# Altium PCB TEBF0808ASCII.PcbDoc (part 6 of 10) (continued)
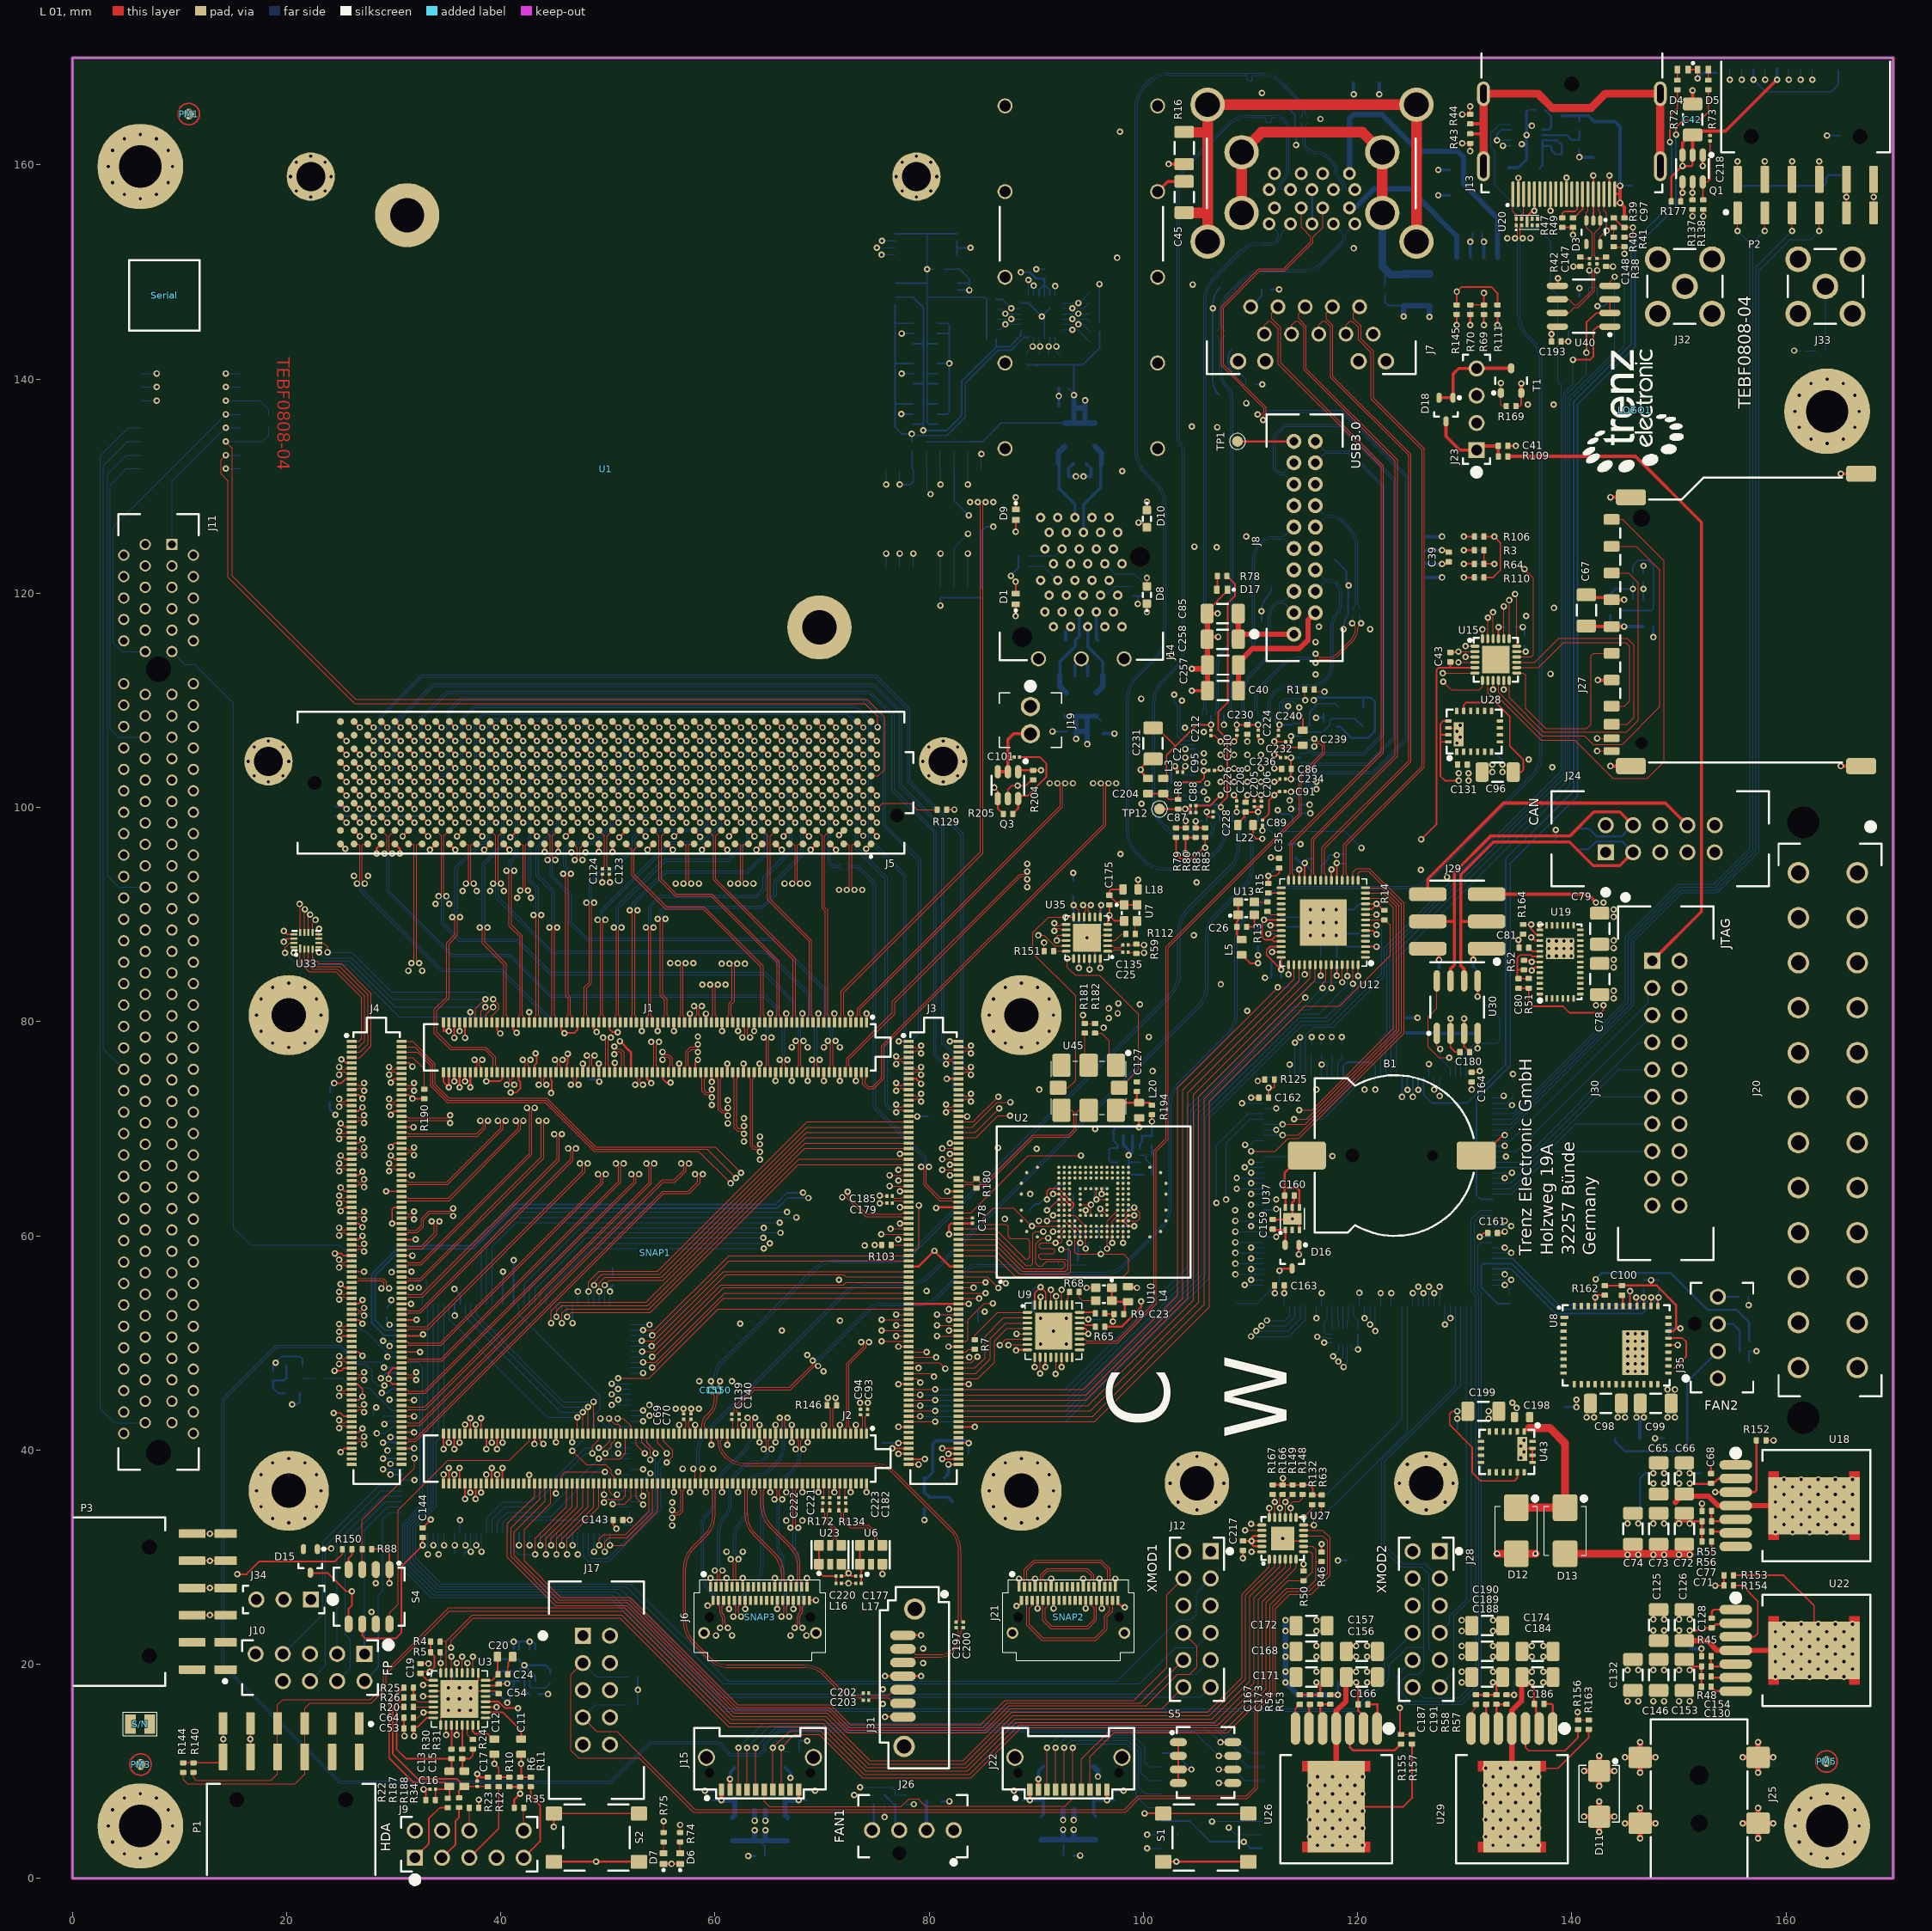
[diagram p0: L 01 view]
## Nets (pads, with @x,y where several pads share a name; then routed paths per layer and width w, separated by ;. In a path a pad name is that pad's centre, name@x,y a point inside that pad or via, vN(x,y) a via of type N, cw(c..) or ccw(c..) an arc to the next point about the centre after c; other vN are vias at no path point) (continued)
DP_TX_HPD: R40.1 R41.2 U17.94 | length 87.3
  L 01 w0.1: R40.1@143.9,152.355 R41.2@144.9,152.355 v1(144.9,151.7)
  L 16 w0.1: U17.94@123.65,74.82 123.65,85.875 139.825,102.05 139.825,138.025 144.9,143.1 v1(144.9,151.7)
DP_TX_L0_N: C140.2 J13.3 U20.2 U20.8 | length 168
  L 01 w0.1: C140.2@62.25,43.352 62.022,43.58 62.022,43.923 63.725,45.625 67.05,45.625 69.273,47.848 v1(69.627,47.848) ; v1(135.41,153.15) 135.16,153.4 135.16,154.2 U20.2@135.3,154.34 U20.8@135.3,154.96 135.3,155.331 135.496,155.527 J13.3@135.496,158.311 ; J13.3@135.5,157.258 J13.3@135.518,157.24
  L 16 w0.1: v1(69.627,47.848) 69.627,47.957 cw(c70.218,47.957) 69.8,48.375 74.467,53.042 cw(c75.525,51.983) 75.525,53.48 78.962,53.48 ccw(c78.962,56.24) 80.913,54.288 82.942,56.317 cw(c84.893,54.365) 84.893,57.125 87.371,57.125 cw(c87.371,55.996) 88.169,56.794 ccw(c89.17,57.795) 89.17,56.38 96.389,56.38 ccw(c96.389,58.92) 98.185,57.124 101.792,60.73 ccw(c99.84,62.682) 102.6,62.682 102.6,72.425 cw(c104.773,72.425) 103.236,73.961 107.942,78.667 ccw(c105.99,80.618) 108.75,80.618 108.75,87.811 cw(c110.884,87.811) 109.375,89.32 111.741,91.686 cw(c113.537,89.89) 113.537,92.43 124.823,92.43 ccw(c124.823,95.19) 126.775,93.238 136.387,102.85 ccw(c134.435,104.802) 137.195,104.802 137.195,141.698 ccw(c134.435,141.698) 136.387,143.65 135.904,144.132 cw(c137.7,145.928) 135.16,145.928 135.16,152.75 cw(c135.522,152.75) 135.266,153.006 v1(135.41,153.15)
DP_TX_L0_P: C139.2 J13.1 U20.1 U20.9 | length 168
  L 01 w0.1: C139.2@61.575,43.352 61.803,43.58 61.803,44.014 63.634,45.845 66.959,45.845 69.118,48.004 v1(69.118,48.357) ; J13.1@134.492,158.294 134.492,155.646 134.8,155.338 U20.9@134.8,154.96 U20.1@134.8,154.34 134.94,154.2 134.94,153.4 v1(134.69,153.15)
  L 16 w0.1: v1(69.118,48.357) 69.226,48.357 ccw(c69.226,48.949) 69.644,48.531 74.311,53.197 cw(c75.525,51.983) 75.525,53.7 78.962,53.7 ccw(c78.962,56.24) 80.758,54.444 82.915,56.601 cw(c84.711,54.805) 84.711,57.345 87.371,57.345 cw(c87.371,55.996) 88.325,56.95 ccw(c89.17,57.795) 89.17,56.6 96.227,56.6 ccw(c96.227,59.311) 98.144,57.394 101.636,60.886 ccw(c99.84,62.682) 102.38,62.682 102.38,72.425 cw(c104.773,72.425) 103.081,74.117 107.786,78.822 ccw(c105.99,80.618) 108.53,80.618 108.53,87.811 cw(c110.884,87.811) 109.219,89.476 111.585,91.842 cw(c113.537,89.89) 113.537,92.65 124.823,92.65 ccw(c124.823,95.19) 126.619,93.394 136.231,103.006 ccw(c134.435,104.802) 136.975,104.802 136.975,141.698 ccw(c134.435,141.698) 136.231,143.494 135.748,143.977 cw(c137.7,145.928) 134.94,145.928 134.94,152.75 ccw(c134.578,152.75) 134.834,153.006 v1(134.69,153.15)
DP_TX_PWR: C97.1 C137.2 D2.1 J13.20 R66.2 TP18.1 | length 20.9
  L 01 w0.2: v1(144.5,156.45) 144.05,156.45 144,156.4 J13.20@144,157.258 ; 144.5,157.258 J13.20@144,157.258 ; v1(144.5,158.05) 144,158.05 J13.20@144,157.258
  L 01 w0.3: v1(144.5,158.05) 144.5,157.258 v1(144.5,156.45) 144.9,156.05 C97.1@144.9,155.05
  L 16 w0.15: v1(144.5,158.05) TP18.1@145.575,158.05
  L 16 w0.2: R66.2@140.69,164.08 140.69,164.585
  L 16 w0.3: D2.1@139.065,164.585 140.69,164.585 141.54,164.585 142.09,164.035 C137.2@142.415,164.035 144.015,164.035 144.5,163.55 v1(144.5,158.05) v1(144.5,156.45)
DVDD1V: C36.1 C37.1 C38.1 U12.6 U12.40 U12.42 | length 18.7
  L 01 w0.15: U12.42@112.86,86 v1(112.86,84.86) 111.5,86.22 111.5,86.7 111.8,87 U12.40@112.86,87 ; U12.6@120.74,88.5 121.4,88.5 v1(121.75,88.15)
  L 07 P w0.3: v1(112.86,84.86) 113.85,85.85 119.45,85.85 v1(121.75,88.15)
  L 16 w0.15: C38.1@121,88.2 121.05,88.15 v1(121.75,88.15)
  L 16 w0.2: C37.1@112.85,84.1 C36.1@112.85,85.55
DX_N: J2.121
DX_P: J2.119
EN_DDR: J2.112 U39.86 | length 8.2
  L 01 w0.1: v1(43.7,31.11) 43.7,31.75 46.655,34.705 J2.112@46.655,36.868
  L 16 w0.1: v1(43.7,31.11) U39.86@43.7,32.28
EN_FMC: R162.2 U8.41 U39.104 | length 120
  L 01 w0.15: U8.41@142.176,53.441 v1(142.176,54.251) 142.381,54.456 R162.2@143.076,54.456
  L 14 S w0.15: v1(34.7,31.11) 35.565,31.975 57.401,31.975 63.101,37.675 82.35,37.675 90.075,45.4 133.325,45.4 v1(142.176,54.251)
  L 16 w0.1: v1(34.7,31.11) U39.104@34.7,32.28
EN_FPD: J2.102 U39.81 | length 9.6
  L 01 w0.1: v1@46.2,30.51 46.2,31.7 49.155,34.655 J2.102@49.155,36.868
  L 16 w0.1: v1(46.2,30.26) U39.81@46.2,32.28
EN_GT_L: J2.79 U39.77 | length 18.3
  L 01 w0.1: J2.79@54.655,41.538 54.655,40.645 55.5,39.8 v1(55.5,39.7)
  L 16 w0.1: U39.77@48.2,32.28 48.2,30.15 48.45,29.9 49.975,29.9 54.7,34.625 54.7,38.9 v1(55.5,39.7)
EN_GT_R: J2.95 U39.93 | length 15.9
  L 01 w0.1: v1(49.75,39.7) 50.325,40.275 50.325,40.575 50.655,40.905 J2.95@50.655,41.538
  L 16 w0.1: U39.93@40.2,32.28 40.2,33.25 40.75,33.8 44.65,33.8 49.75,38.9 v1(49.75,39.7)
EN_LPD: J2.108 U39.84 | length 8.2
  L 01 w0.1: v1(44.7,31.11) 44.7,31.75 47.655,34.705 J2.108@47.655,36.868
  L 16 w0.1: v1(44.7,31.11) U39.84@44.7,32.28
EN_PL: J2.101 U39.95 | length 15.3
  L 01 w0.1: v1(48.55,39.7) 48.55,40.35 49.155,40.955 J2.101@49.155,41.538
  L 16 w0.1: U39.95@39.2,32.28 39.2,33.55 40.35,34.7 42.925,34.7 47.925,39.7 v1(48.55,39.7)
EN_PLL_PWR: J2.77 U39.78 | length 19.6
  L 01 w0.1: J2.77@55.155,41.538 55.155,40.845 56.05,39.95 56.05,39.4 v1(55.5,38.85)
  L 16 w0.1: U39.78@47.7,32.28 47.7,30.1 48.2,29.6 50.1,29.6 54.95,34.45 54.95,38.3 v1(55.5,38.85)
EN_PSGT: J2.84 U39.75 | length 10.1
  L 01 w0.1: v1(49.2,31.11) 49.2,31.695 49.605,32.1 51.65,32.1 53.85,34.3 53.85,36 53.655,36.195 J2.84@53.655,36.868
  L 16 w0.1: v1(49.2,31.11) U39.75@49.2,32.28
ERR_OUT: J2.88 U39.70 | length 3.5
  L 01 w0.1: J2.88@52.655,36.868 52.655,35.545 v1(53.3,34.9)
  L 16 w0.1: U39.70@52.12,35.2 53,35.2 v1(53.3,34.9)
ERR_STATUS: J2.86 U39.69 | length 2.4
  L 01 w0.1: J2.86@53.155,36.868 53.155,35.835 v1(53.29,35.7)
  L 16 w0.1: U39.69@52.12,35.7 v1(53.29,35.7)
ESC_CLK: J27.5 U15.13 | length 19.5
  L 01 w0.1: U15.13@134.85,112.55 135.45,112.55 135.675,112.325 135.675,109.25 137.575,107.35 141.375,107.35 141.775,107.75 141.775,114.135 142.025,114.385 J27.5@143.71,114.385
ESC_CMD: J27.2 U15.12 | length 31.1
  L 01 w0.1: U15.12@134.15,111.85 134.15,110.25 137.35,107.05 145.13,107.05 146.2,108.12 146.2,120.975 145.29,121.885 J27.2@143.71,121.885
ESC_D0: J27.7 U15.14 | length 18.6
  L 01 w0.1: U15.14@134.85,113.05 136.9,113.05 139.23,115.38 145.03,115.38 145.39,115.02 145.39,109.95 144.9,109.46 J27.7@143.71,109.46
ESC_D1: J27.8 U15.15 | length 21.2
  L 01 w0.1: U15.15@134.85,113.55 136.55,113.55 138.775,115.775 145.175,115.775 145.8,115.15 145.8,108.39 145.17,107.76 J27.8@143.71,107.76
ESC_D2: J27.9 U15.8 | length 46.8
  L 01 w0.1: U15.8@132.15,111.85 132.15,111.136 132.15,110.7 132.5,110.35 133.075,110.35 137.125,106.3 140.25,106.3 143.825,102.725 147.05,102.725 148.6,104.275 148.6,123 144.715,126.885 J27.9@143.71,126.885
ESC_D3: J27.1 U15.10 | length 37.8
  L 01 w0.1: U15.10@133.15,111.85 133.15,110.75 137.225,106.675 141.175,106.675 141.975,105.875 144.7,105.875 148.225,109.4 148.225,122.15 145.99,124.385 J27.1@143.71,124.385
ESD_CLK: J16.5 U15.19 | length 63.5
  L 01 w0.1: U15.19@134.15,115.75 v1(134.15,119.35)
  L 03 S w0.1: v1(134.15,119.35) 134.9,119.35 141.575,126.025 141.575,130.694 156.633,145.752 156.633,160.008 158.055,161.43 v1(158.055,167.938)
  L 16 w0.1: v1(158.055,167.938) J16.5@158.055,168.95
ESD_CMD: J16.3 U15.20 | length 65
  L 01 w0.1: v1@133.6,118.8 133.65,118.75 U15.20@133.65,115.75
  L 03 S w0.1: v1(133.65,118.775) 134.825,118.775 141.9,125.85 141.9,130.536 156.975,145.611 156.975,157.975 160.255,161.255 v1(160.255,167.938)
  L 16 w0.1: v1(160.255,167.938) J16.3@160.255,168.95
ESD_DAT0: J16.7 U15.18 | length 63.4
  L 01 w0.1: v1(134.7,119.925) 134.85,119.775 U15.18@134.85,115.05
  L 03 S w0.1: v1(134.7,119.925) 134.725,119.925 141.25,126.45 141.25,130.84 156.3,145.89 156.3,160.775 155.495,161.58 155.495,167.578 v1(155.855,167.938)
  L 16 w0.1: v1(155.855,167.938) J16.7@155.855,168.95
ESD_DAT1: J16.8 U15.16 | length 65.6
  L 01 w0.1: U15.16@134.85,114.05 136.2,114.05 136.425,114.275 136.425,121.394 v1(135.58,122.239)
  L 03 S w0.1: v1(135.58,122.239) 140.875,127.534 140.875,130.925 155.975,146.025 155.975,155.1 154.755,156.32 v1(154.755,167.938)
  L 16 w0.1: v1(154.755,167.938) J16.8@154.755,168.95
ESD_DAT2: J16.1 U15.23 | length 67.2
  L 01 w0.1: U15.23@132.15,115.75 v1(132.15,117.725)
  L 03 S w0.1: v1(132.15,117.725) 134.7,117.725 142.5,125.525 142.5,130.146 157.675,145.321 157.675,152.185 162.455,156.965 v1(162.455,167.938)
  L 16 w0.1: v1(162.455,167.938) J16.1@162.455,168.95
ESD_DAT3: J16.2 U15.22 | length 66.3
  L 01 w0.1: v1(132.645,118.22) 132.65,118.215 U15.22@132.65,115.75
  L 03 S w0.1: v1(132.645,118.22) 134.72,118.22 142.25,125.75 142.25,130.391 157.325,145.466 157.325,152.3 161.355,156.33 v1(161.355,167.938)
  L 16 w0.1: v1(161.355,167.938) J16.2@161.355,168.95
ETH_CLK: R13.1 U12.34 | length 1.4
  L 01 w0.1: R13.1@111.575,90.28 111.855,90 U12.34@112.86,90
ETH_MDC: J3.143 U12.7 | length 76
  L 01 w0.1: J3.143@78.07,42.653 v1(80.55,42.653) ; U12.7@120.74,89 v1(121.75,89) v1@121.8,89
  L 16 w0.1: v1(80.55,42.653) 92.753,42.653 106.15,56.05 106.15,71.025 114.825,79.7 117.45,79.7 122.25,84.5 122.25,88.55 v1@121.8,89
ETH_MDIO: J3.144 R14.2 U12.8 | length 74.9
  L 01 w0.1: J3.144@82.74,42.653 95.446,42.653 106.175,53.382 106.175,72.575 115.05,81.45 118.3,81.45 123.05,86.2 123.05,89 122.55,89.5 U12.8@120.74,89.5
ETH_RST: U12.16 U17.62 | length 39.2
  L 01 w0.1: v1(110.06,67.9) 112.3,67.9 113.5,69.1 114.5,69.1 124.34,78.94 124.34,91.06 121.1,94.3 119.9,94.3 119.55,93.95 U12.16@119.55,93.19
  L 16 w0.1: v1(110.06,67.9) U17.62@111.23,67.9
ETH_RXCK: J3.132 U12.46 | length 60.7
  L 01 w0.1: J3.132@82.74,45.653 94.437,45.653 103.175,54.391 103.175,73.818 112.55,83.193 v1(112.55,83.2) ; v1(115.05,84.4) U12.46@115.05,85.31
  L 16 w0.1: v1(112.55,83.2) 113.85,83.2 v1(115.05,84.4)
ETH_RXCTL: J3.142 U12.43 | length 63.5
  L 01 w0.1: J3.142@82.74,43.153 95.238,43.153 105.675,53.589 105.675,72.782 v1(115.125,82.232) ; v1(113.55,84.4) U12.43@113.55,85.31
  L 14 S w0.1: v1(113.55,84.4) 113.55,83.807 v1(115.125,82.232)
ETH_RXD0: J3.134 U12.44 | length 60.1
  L 01 w0.1: J3.134@82.74,45.153 94.614,45.153 103.675,54.214 103.675,73.611 114.05,83.986 U12.44@114.05,85.31
ETH_RXD1: J3.136 U12.45 | length 60.8
  L 01 w0.1: J3.136@82.74,44.653 94.617,44.653 104.175,54.211 104.175,73.403 114.55,83.778 U12.45@114.55,85.31
ETH_RXD2: J3.138 U12.47 | length 61.8
  L 01 w0.1: J3.138@82.74,44.153 94.824,44.153 104.675,54.004 104.675,73.196 115.55,84.071 U12.47@115.55,85.31
ETH_RXD3: J3.140 U12.48 | length 62.7
  L 01 w0.1: J3.140@82.74,43.653 95.031,43.653 105.175,53.797 105.175,72.989 116.05,83.864 U12.48@116.05,85.31
ETH_TXCK: J3.131 U12.53 | length 66.6
  L 01 w0.1: J3.131@78.07,45.653 v1(80.55,45.653) ; v1(118.55,83.675) U12.53@118.55,85.31
  L 16 w0.1: v1(80.55,45.653) 92.703,45.653 104.075,57.025 104.075,71.95 115.8,83.675 v1(118.55,83.675)
ETH_TXCTL: J3.141 U12.56 | length 69.6
  L 01 w0.1: J3.141@78.07,43.153 v1(79.15,43.153) ; v1(120.05,84.25) U12.56@120.05,85.31
  L 16 w0.1: v1@79.16,43.143 92.743,43.143 105.8,56.2 105.8,71.135 114.69,80.025 117.225,80.025 120.05,82.85 v1(120.05,84.25)
ETH_TXD0: J3.133 U12.50 | length 65.5
  L 01 w0.1: J3.133@78.07,45.153 v1(79.15,45.153) ; v1(116.725,83.125) 116.725,83.55 117.05,83.875 U12.50@117.05,85.31
  L 16 w0.1: v1(79.15,45.153) 92.753,45.153 104.425,56.825 104.425,71.775 114.1,81.45 115.05,81.45 v1(116.725,83.125)
ETH_TXD1: J3.135 U12.51 | length 66.4
  L 01 w0.1: J3.135@78.07,44.653 v1(80.55,44.653) ; v1(117.55,83.15) U12.51@117.55,85.31
  L 16 w0.1: v1(80.55,44.653) 92.853,44.653 104.75,56.55 104.75,71.575 114.25,81.075 115.475,81.075 v1(117.55,83.15)
ETH_TXD2: J3.137 U12.54 | length 67.9
  L 01 w0.1: J3.137@78.07,44.153 v1(79.15,44.153) ; v1(119.05,84.25) U12.54@119.05,85.31
  L 16 w0.1: v1(79.15,44.153) 92.778,44.153 105.1,56.475 105.1,71.425 114.4,80.725 116.375,80.725 119.05,83.4 v1(119.05,84.25)
ETH_TXD3: J3.139 U12.55 | length 68.9
  L 01 w0.1: J3.139@78.07,43.653 v1(80.55,43.653) ; v1(119.55,83.525) U12.55@119.55,85.31
  L 16 w0.1: v1(80.55,43.653) 92.778,43.653 105.45,56.325 105.45,71.28 114.545,80.375 117.05,80.375 119.55,82.875 v1(119.55,83.525)
EX_IO1: P2.1 U17.112 | length 97.6
  L 01 w0.1: v1(155.475,153.825) P2.1@155.475,155.51
  L 16 w0.1: U17.112@132.57,71.4 134.5,71.4 145,81.9 145,87.9 149.938,92.838 153.263,92.838 156.65,96.225 156.65,152.65 v1(155.475,153.825)
EX_IO2: P2.2 U17.113 | length 98.2
  L 01 w0.1: v1(158.015,153.825) P2.2@158.015,155.51
  L 16 w0.1: U17.113@132.57,70.9 134.375,70.9 145.265,81.79 145.265,87.79 150.048,92.573 153.373,92.573 156.915,96.115 156.915,152.725 v1(158.015,153.825)
EX_IO3: P2.3 U17.114 | length 99.6
  L 01 w0.1: v1(160.555,153.825) P2.3@160.555,155.51
  L 16 w0.1: U17.114@132.57,70.4 134.275,70.4 145.548,81.673 145.548,87.673 150.165,92.29 153.49,92.29 157.198,95.998 157.198,150.468 v1(160.555,153.825)
EX_IO4: P2.4 U17.115 | length 102.3
  L 01 w0.1: v1(163.095,153.825) P2.4@163.095,155.51
  L 16 w0.1: U17.115@132.57,69.9 134.15,69.9 145.813,81.563 145.813,87.563 150.275,92.025 153.6,92.025 157.463,95.888 157.463,150.113 160.375,153.025 162.295,153.025 v1(163.095,153.825)
EX_IO5: P2.7 U33.9 | length 208.2
  L 01 w0.1: U33.9@22.45,88.325 22.45,89.25 v1(22.7,89.5) ; P2.7@155.475,158.64 v1(155.475,160.325)
  L 05 S w0.1: v1(22.7,89.5) 22.7,97.103 24.95,99.353 24.95,154.45 34.125,163.625 80.347,163.625 84.797,168.075 135.725,168.075 138.225,165.575 145.75,165.575 147.625,163.7 152.1,163.7 v1(155.475,160.325)
EX_IO6: P2.8 U33.10 | length 211.5
  L 01 w0.1: U33.10@22.05,88.325 22.05,89.84 v1(22.205,89.995) ; P2.8@158.015,158.64 v1(158.015,160.325)
  L 05 S w0.1: v1(22.205,89.995) 22.205,97.174 24.55,99.519 24.55,154.616 33.959,164.025 80.181,164.025 84.506,168.35 135.839,168.35 138.339,165.85 145.864,165.85 147.739,163.975 153.125,163.975 156.775,160.325 v1(158.015,160.325)
EX_IO7: P2.9 U33.11 | length 215.2
  L 01 w0.1: U33.11@21.65,88.325 21.65,90.43 v1(21.71,90.49) ; P2.9@160.555,158.64 v1(160.555,160.325)
  L 05 S w0.1: v1(21.71,90.49) 21.71,97.244 24.15,99.684 24.15,154.781 33.794,164.425 80.016,164.425 84.191,168.6 136.013,168.6 138.525,166.088 146.05,166.088 147.863,164.275 157.45,164.275 160.555,161.17 v1(160.555,160.325)
EX_IO8: P2.10 U33.12 | length 218.1
  L 01 w0.1: v1(21.215,90.985) 21.25,90.95 U33.12@21.25,88.325 ; P2.10@163.095,158.64 v1(163.095,160.325)
  L 05 S w0.1: v1(21.215,90.985) 21.215,97.315 23.75,99.85 23.75,154.947 33.628,164.825 79.85,164.825 83.95,168.925 136.148,168.925 138.785,166.288 146.31,166.288 147.998,164.6 158.82,164.6 v1(163.095,160.325)
EXT_SCL: P3.3 P3.9 R167.2 U27.17 | length 134
  L 01 w0.1: R167.2@112.075,35.855 112.225,35.705 112.225,35.175 v1(112.25,35.15) U27.17@112.25,33.7
  L 01 w0.15: P3.9@11.185,24.58 v1(12.835,24.58) P3.3@14.315,24.58
  L 05 S w0.1: v1(12.835,24.58) 13.93,23.485 43.915,23.485 46.19,21.21 52.965,21.21 60.425,13.75 60.425,11.715 65.955,6.185 90.32,6.185 100.26,16.125 107.56,16.125 111.74,20.305 111.74,33.415 112.25,33.925 v1(112.25,35.15)
EXT_SDA: P3.4 P3.10 R166.2 U27.16 | length 137.2
  L 01 w0.1: P3.10@11.185,27.12 v1(12.835,27.12) P3.4@14.315,27.12 ; U27.16@112.75,33.7 v1(112.75,34.575) 112.75,35.605 R166.2@113,35.855
  L 05 S w0.1: v1(12.835,27.12) 16.18,23.775 44.035,23.775 46.31,21.5 53.085,21.5 60.715,13.87 60.715,11.835 66.075,6.475 90.2,6.475 100.14,16.415 107.44,16.415 111.45,20.425 111.45,32.6 111.15,32.9 111.15,35.15 111.7,35.7 112.45,35.7 112.75,35.4 v1(112.75,34.575)
F1PWM: R28.1 U39.121 | length 66.5
  L 01 w0.1: v1@72.95,7.75 v1(72.995,7.795)
  L 12 S w0.1: v1(29.425,39.95) 30.42,38.955 30.42,30.47 35.19,25.7 51.315,25.7 61.665,15.35 67.625,15.35 72.995,9.98 v1(72.995,7.795)
  L 16 w0.1: v1(29.425,39.95) 29.675,40.2 U39.121@30.78,40.2 ; v1(72.995,7.795) R28.1@74.825,7.795
F1SENSE: R27.1 R98.1 U39.125 | length 73.2
  L 12 S w0.1: v1(28.425,41.55) 28.525,41.65 30.05,41.65 30.975,40.725 30.975,30.7 35.42,26.255 51.545,26.255 61.895,15.905 67.855,15.905 73.55,10.21 v1(73.55,8.5)
  L 16 w0.1: v1(28.425,41.55) 29.225,41.55 29.875,42.2 U39.125@30.78,42.2 ; v1(73.55,8.5) 76.525,8.5 76.825,8.2 R27.1@76.825,7.795 R98.1@77.825,7.795
F2_EN: U17.19 U48.3 | length 33.5
  L 03 S w0.1: v1(121.65,51.1) 129.525,51.1 139.525,41.1 v1(147.775,41.1)
  L 16 w0.1: v1(121.65,51.1) U17.19@121.65,53.48
  L 16 w0.15: v1(147.775,41.1) U48.3@148.65,41.1
F2GND: C149.1 C261.1 J7.F3 J7.F4 J7.F5 J7.F6 R143.1 | length 37.3
  L 01 w1: J7.F6@109.165,155.503 J7.F4@109.165,161.183 111.024,163.042 120.446,163.042 J7.F3@122.305,161.183 J7.F5@122.305,155.503
  L 16 w0.15: 122.305,150.52 122.55,150.275 C261.1@122.55,148.75
  L 16 w0.75: 122.305,150.52 J7.F5@122.305,155.503 ; 122.55,150.275 123.075,149.75 C149.1@124.3,149.75 124.35,149.8 R143.1@126.7,149.8
F2PWM: R197.1 U17.20 | length 41.7
  L 03 S w0.1: v1(121.15,51.71) 126.385,51.71 127.675,53 138.404,53 142.104,56.7 154.15,56.7 155.15,55.7 156.495,54.355 v1(156.495,53.53)
  L 16 w0.1: v1(121.15,51.71) U17.20@121.15,53.48
  L 16 w0.15: v1(156.495,53.53) R197.1@156.495,54.3
F2SENSE: R196.1 R198.1 U17.21 | length 47.3
  L 03 S w0.1: v1(120.65,52.31) 126.185,52.31 127.125,53.25 138.3,53.25 142,56.95 154.254,56.95 155.254,55.95 157.225,53.979 v1(157.225,49.225)
  L 16 w0.1: v1(120.65,52.31) U17.21@120.65,53.48
  L 16 w0.15: R198.1@156.545,48.225 R196.1@156.545,49.225 v1(157.225,49.225)
FAN_FMC: C101.1 J19.2 Q3.2 Q3.3 | length 6.9
  L 01 w0.15: 87.35,104.7 C101.1@87.925,104.7
  L 01 w0.3: Q3.3@86.4,103.33 Q3.2@87.35,103.33 87.35,104.7 87.35,106.35 87.88,106.88 J19.2@89.45,106.88
FAN_FMC_EN: Q3.5 R204.1 U39.132 | length 123.2
  L 01 w0.15: Q3.5@87.35,100.82 87.35,101.675 87.7,102.025 v1(88.25,102.025) 89.025,102.025 89.58,102.58 R204.1@89.7,102.58
  L 12 S w0.15: v1(28.9,45.325) 38.175,45.325 41.875,41.625 59.325,41.625 61.875,44.175 71.825,44.175 74.325,46.675 75.8,46.675 79.175,50.05 81.45,50.05 81.675,50.275 83.45,50.275 87.75,54.575 87.75,67.975 93.25,73.475 93.25,83.25 88.25,88.25 v1(88.25,102.025)
  L 16 w0.15: v1(28.9,45.325) 29.45,45.325 29.825,45.7 U39.132@30.78,45.7
FF_E_SCL: R149.2 U27.15 U34.14 | length 40.8
  L 01 w0.1: U27.15@113.25,33.7 v1(113.25,35.15) 113.225,35.175 113.91,35.86 R149.2@113.925,35.86
  L 05 S w0.1: v1(106.4,5.318) 105.81,5.908 105.81,13.435 112.335,19.96 112.335,25.735 113.775,27.175 113.775,32.225 113.25,32.75 v1(113.25,35.15)
  L 16 w0.1: v1(106.4,5.318) 106.437,5.355 U34.14@111.075,5.355
FF_E_SDA: R148.2 U27.14 U34.15 | length 40.5
  L 01 w0.1: U27.14@113.75,33.7 v1(113.75,34.575) ; v1@113.825,34.65 v1(113.75,34.575) ; R148.2@114.85,35.855 114.85,35.5 114.55,35.2 113.95,35.2 113.75,35 v1(113.75,34.575)
  L 05 S w0.1: v1(107.957,4.75) 106.075,6.632 106.075,13.325 112.6,19.85 112.6,25.625 114.04,27.065 114.04,32.335 113.75,32.625 v1(113.75,34.575)
  L 16 w0.1: v1(107.957,4.75) 108.622,4.085 U34.15@111.075,4.085
FF_L1_N: J21.A2 J21.A18 | length 12
  L 01 w0.1: 88.885,27.889 88.885,28.845 89.74,29.7 96.06,29.7 96.885,28.875 J21.A18@96.885,27.225 ; J21.A2@88.885,27.225 88.885,27.889
FF_L1_P: J21.A3 J21.A17 | length 11.5
  L 01 w0.1: J21.A3@89.385,27.225 89.385,27.7 89.105,27.98 89.105,28.754 89.831,29.48 95.969,29.48 96.655,28.794 96.655,27.97 96.385,27.7 J21.A17@96.385,27.225
FF_L2_N: J21.B2 J21.B18 | length 13.7
  L 01 w0.1: J21.B2@89.115,25.975 89.115,23.635 90.5,22.25 95.575,22.25 96.6,23.275 96.6,24.439 97.115,24.954 J21.B18@97.115,25.975
FF_L2_P: J21.B3 J21.B17 | length 13.2
  L 01 w0.1: J21.B3@89.615,25.975 89.615,25.5 89.346,25.231 89.346,23.715 90.591,22.47 95.484,22.47 96.38,23.366 96.38,24.53 96.863,25.013 96.863,25.252 96.615,25.5 J21.B17@96.615,25.975
FF_L3_N: J21.A5 J21.A15 | length 7.7
  L 01 w0.1: J21.A5@90.385,27.225 90.379,27.231 90.379,28.34 90.989,28.95 94.75,28.95 95.385,28.315 J21.A15@95.385,27.225
FF_L3_P: J21.A6 J21.A14 | length 7.2
  L 01 w0.1: J21.A6@90.885,27.225 90.885,27.7 90.599,27.986 90.599,28.249 91.08,28.73 94.659,28.73 95.149,28.24 95.149,27.964 94.885,27.7 J21.A14@94.885,27.225
FF_L4_N: J21.B5 J21.B15 | length 9.4
  L 01 w0.1: J21.B5@90.615,25.975 90.615,24.074 91.359,23.33 94.841,23.33 95.615,24.104 J21.B15@95.615,25.975
FF_L4_P: J21.B6 J21.B14 | length 8.9
  L 01 w0.1: J21.B6@91.115,25.975 91.115,25.5 90.843,25.228 90.843,24.157 91.45,23.55 94.75,23.55 95.391,24.191 95.391,25.224 95.115,25.5 J21.B14@95.115,25.975
FF_RSTL: J15.6 J22.6 U34.4 | length 49.1
  L 01 w0.1: J15.6@64.6,8.29 64.6,7.175 65.075,6.7 77.375,6.7 78.1,7.425 78.975,7.425 79.65,6.75 92.675,6.75 93.4,7.475 J22.6@93.4,8.29 v1(93.4,12.2)
  L 16 w0.1: v1(93.4,12.2) 93.775,12.575 98.45,12.575 99.325,11.7 99.325,7.65 100.35,6.625 U34.4@101.775,6.625
FFA_INTL: J15.5 U34.11 | length 55.2
  L 01 w0.1: J15.5@63.8,8.29 v1(63.8,12.2)
  L 16 w0.1: v1(63.8,12.2) 65.7,14.1 106.575,14.1 108.675,12 108.675,9.9 109.41,9.165 U34.11@111.075,9.165
FFA_MPRS: J15.3 U34.9 | length 54.9
  L 01 w0.1: J15.3@62.2,8.29 v1(62.2,12.2)
  L 16 w0.1: v1(62.2,12.2) 64.5,14.5 107.075,14.5 109.87,11.705 U34.9@111.075,11.705
FFA_MSEL: J15.4 U34.10 | length 55
  L 01 w0.1: J15.4@63,8.29 v1(63,12.2)
  L 16 w0.1: v1(63,12.2) 65.1,14.3 106.775,14.3 109,12.075 109,11.175 109.74,10.435 U34.10@111.075,10.435
FFA_SCL: J15.8 J34.3 R17.2 U27.6 | length 126.2
  L 01 w0.1: J15.8@66.2,8.29 v1(66.2,12.2) 67.425,13.425 69.75,13.425 73.793,9.382 83.907,9.382 88.6,14.075 107.212,14.075 111.1,17.963 111.1,25.85 114.25,29 U27.6@114.25,29.8
  L 05 S w0.1: J34.3@16.61,26.04 17.65,25 23.825,25 24.225,25.4 49.7,25.4 61.15,13.95 61.15,11.95 61.9,11.2 65.2,11.2 v1(66.2,12.2)
  L 16 w0.1: v1(66.2,12.2) 66.55,11.85 R17.2@66.955,11.85
FFA_SDA: J15.7 J34.1 R33.2 U27.5 | length 121.4
  L 01 w0.1: J15.7@65.4,8.29 v1(65.4,12.2) 67.025,13.825 69.8,13.825 73.925,9.7 83.775,9.7 88.4,14.325 106.967,14.325 110.75,18.108 110.75,26.05 113.75,29.05 U27.5@113.75,29.8
  L 05 S w0.1: J34.1@21.69,26.04 22.03,25.7 49.9,25.7 61.55,14.05 61.55,11.95 62.05,11.45 64.65,11.45 v1(65.4,12.2)
  L 16 w0.1: v1(65.4,12.2) 65.4,12.6 65.65,12.85 R33.2@66.955,12.85
FFB_INTL: J22.5 U34.5 | length 17.4
  L 01 w0.1: J22.5@92.6,8.29 v1(92.6,12.2)
  L 16 w0.1: v1(92.6,12.2) 93.3,12.9 98.55,12.9 99.55,11.9 99.55,8.525 100.18,7.895 U34.5@101.775,7.895
FFB_MPRS: J22.3 U34.7 | length 17.2
  L 01 w0.1: J22.3@91,8.29 v1(91,12.2)
  L 16 w0.1: v1(91,12.2) 92.2,13.4 98.975,13.4 100.125,12.25 100.125,10.85 100.54,10.435 U34.7@101.775,10.435
FFB_MSEL: J22.4 U34.6 | length 17.2
  L 01 w0.1: J22.4@91.8,8.29 v1(91.8,12.2)
  L 16 w0.1: v1(91.8,12.2) 92.75,13.15 98.7,13.15 99.8,12.05 99.8,9.85 100.485,9.165 U34.6@101.775,9.165
FFB_SCL: J22.8 R46.2 U27.8 | length 40.3
  L 01 w0.1: J22.8@95,8.29 95,11.35 97.25,13.6 107.845,13.6 111.8,17.555 111.8,25.575 113.325,27.1 115.3,27.1 116.1,27.9 116.1,29.58 ; U27.8@114.95,31 115.8,31 116.1,30.7 116.1,29.58 ; R46.2@116.625,29.58 116.1,29.58
FFB_SDA: J22.7 R50.2 U27.7 | length 39
  L 01 w0.1: J22.7@94.2,8.29 94.2,11.15 96.875,13.825 107.575,13.825 111.45,17.7 111.45,25.75 113.505,27.805 R50.2@114.95,27.805 115.8,28.655 115.8,30.3 115.6,30.5 U27.7@114.95,30.5
FGND: C45.1 J7.F1 J7.F2 J7.F7 J7.F8 R16.1 | length 49.5
  L 01 w1: C45.1@103.8,155.544 103.852,155.492 105.985,155.492 ; R16.1@103.8,163.066 103.837,163.03 105.985,163.03 ; J7.F8@105.985,152.833 105.985,155.492 ; J7.F7@125.485,152.833 J7.F1@125.485,165.613 J7.F2@105.985,165.613 105.985,163.03 ; 105.985,155.492 105.985,163.03
FMC_CLK_DIR: J5.B1 R125.2 U17.73 | length 49.1
  L 01 w0.1: v1(110.675,74.45) 111.18,74.45 R125.2@111.33,74.6
  L 01 w0.2: J5.B1@74.566,97.855 v1(75.115,97.306)
  L 05 S w0.1: v1(75.115,97.306) 78.394,97.306 94.387,81.313 v1(96.275,79.425)
  L 14 S w0.1: v1(96.275,79.425) 105.7,79.425 v1(110.675,74.45)
  L 16 w0.1: v1(110.675,74.45) 111.045,74.82 U17.73@113.15,74.82
FMC_PG_C2M: J5.D1 R129.2 U39.141 | length 94.5
  L 01 w0.1: v1(75.115,99.846) 75.645,100.375 78.292,100.375 78.867,99.8 R129.2@80.73,99.8
  L 01 w0.2: J5.D1@74.566,100.395 v1(75.115,99.846)
  L 05 S w0.1: v1(29.01,50.2) 29.75,50.2 30.775,49.175 30.775,46.493 31.793,45.475 44.225,45.475 65.125,66.375 65.125,76.664 67.625,79.164 67.625,81.314 70.55,84.239 70.55,92.675 73.31,95.435 73.31,96.11 74.6,97.4 74.6,99.33 v1(75.115,99.846)
  L 16 w0.1: v1(29.01,50.2) U39.141@30.78,50.2
FMC_PG_M2C: J5.F1 R126.1 U38.6 | length 90.7
  L 01 w0.1: v1(14.32,134.17) 14.3,134.15 14.925,133.525 14.925,121.625 26.45,110.1 74.183,110.1 75.825,108.458 75.825,103.525 75.235,102.935 J5.F1@74.566,102.935
  L 16 w0.1: v1(14.32,134.17) U38.6@15.75,134.17 17.729,134.17 18.335,134.776 R126.1@18.335,135.624
FMC_PRSNT_M2C: J5.H2 U38.7 | length 84.2
  L 01 w0.1: v1(14.32,132.9) 13.87,132.45 13.87,131.141 14.545,130.466 14.545,121.505 26.375,109.675 74,109.675 75.175,108.5 v1(75.175,107.5)
  L 01 w0.2: J5.H2@73.296,105.475 v1(73.845,104.926)
  L 14 S w0.15: v1(73.845,104.926) 74.425,105.505 74.425,106.75 v1(75.175,107.5)
  L 16 w0.1: v1(14.32,132.9) U38.7@15.75,132.9
FMC_SCL: J5.C30 R116.1 U16.15 | length 88.4
  L 01 w0.2: J5.C30@37.736,99.125 v1(38.285,98.576)
  L 03 S w0.1: v1(38.285,98.576) 38.9,99.19 38.9,107.8 41.225,110.125 71.65,110.125 76.75,115.225 76.75,127.02 85.525,135.795 85.525,142.525 87.65,144.65 v1(87.65,145.6)
  L 16 w0.1: R116.1@86.245,145.605 87.645,145.605 v1(87.65,145.6) U16.15@88.56,145.6
FMC_SDA: J5.C31 R62.1 U16.14 | length 90.1
  L 01 w0.2: J5.C31@36.466,99.125 v1(37.015,98.576)
  L 03 S w0.1: v1(37.015,98.576) 36.4,99.191 36.4,107.8 39.025,110.425 71.6,110.425 76.525,115.35 76.525,127.149 85.275,135.899 85.275,143.275 v1(87.1,145.1)
  L 16 w0.1: R62.1@86.245,144.655 86.655,144.655 v1(87.1,145.1) U16.14@88.56,145.1
FMC_TCK: J5.D29 U17.95 | length 110.2
  L 01 w0.2: J5.D29@39.006,100.395 v1(39.555,99.846)
  L 05 S w0.1: v1(39.555,99.846) 39.075,100.326 39.075,105.225 39.25,105.4 75.75,105.4 76.5,104.65 76.5,102.975 87.175,92.3 87.175,88.925 94.587,81.513 95.75,80.35 96.75,80.35 96.75,80.334 v1(96.755,80.329)
  L 06 G w0.1: v1@96.75,80.334 v1(96.755,80.329)
  L 14 S w0.1: v1(96.755,80.329) 105.946,80.329 112.075,74.2 123.6,74.2 124.15,73.65 v1(124.15,72.965)
  L 16 w0.15: v1(124.15,72.965) U17.95@124.15,74.82
FMC_TDI: J5.D30 U17.96 | length 109.8
  L 01 w0.2: J5.D30@37.736,100.395 v1(38.285,99.846)
  L 05 S w0.1: v1(38.285,99.846) 38.8,100.36 38.8,105.233 39.217,105.65 75.854,105.65 76.75,104.754 76.75,103.05 87.375,92.425 87.375,89.1 95.696,80.779 v1(97.596,80.779)
  L 14 S w0.1: v1(97.596,80.779) 105.946,80.779 112.3,74.425 123.84,74.425 v1(124.65,73.615)
  L 16 w0.15: v1(124.65,73.615) U17.96@124.65,74.82
FMC_TDO: J5.D31 U17.97 | length 114.8
  L 01 w0.2: J5.D31@36.466,100.395 v1(37.015,99.846)
  L 05 S w0.1: v1(37.015,99.846) 37.625,100.455 37.625,106.325 38,106.7 75.675,106.7 77.025,105.35 77.025,103.125 87.587,92.563 87.587,89.338 95.696,81.229 v1(96.755,81.229)
  L 14 S w0.1: v1(96.755,81.229) 98.996,81.229 99.15,81.075 106.185,81.075 112.56,74.7 124.5,74.7 125.15,74.05 v1(125.15,72.965)
  L 16 w0.15: v1(125.15,72.965) U17.97@125.15,74.82
FMC_TMS: J5.D33 U17.98 | length 117.3
  L 01 w0.2: J5.D33@33.926,100.395 v1(34.475,99.846)
  L 05 S w0.1: v1(34.475,99.846) 35.075,100.445 35.075,106.325 35.7,106.95 75.8,106.95 77.325,105.425 77.325,103.175 87.835,92.665 87.835,89.465 95.6,81.7 v1(97.65,81.7)
  L 14 S w0.1: v1(97.65,81.7) 98.2,82.25 105.5,82.25 112.75,75 124.8,75 125.65,74.15 v1(125.65,73.615)
  L 16 w0.15: v1(125.65,73.615) U17.98@125.65,74.82